# KiCad board EndGame.kicad_pcb (continued)
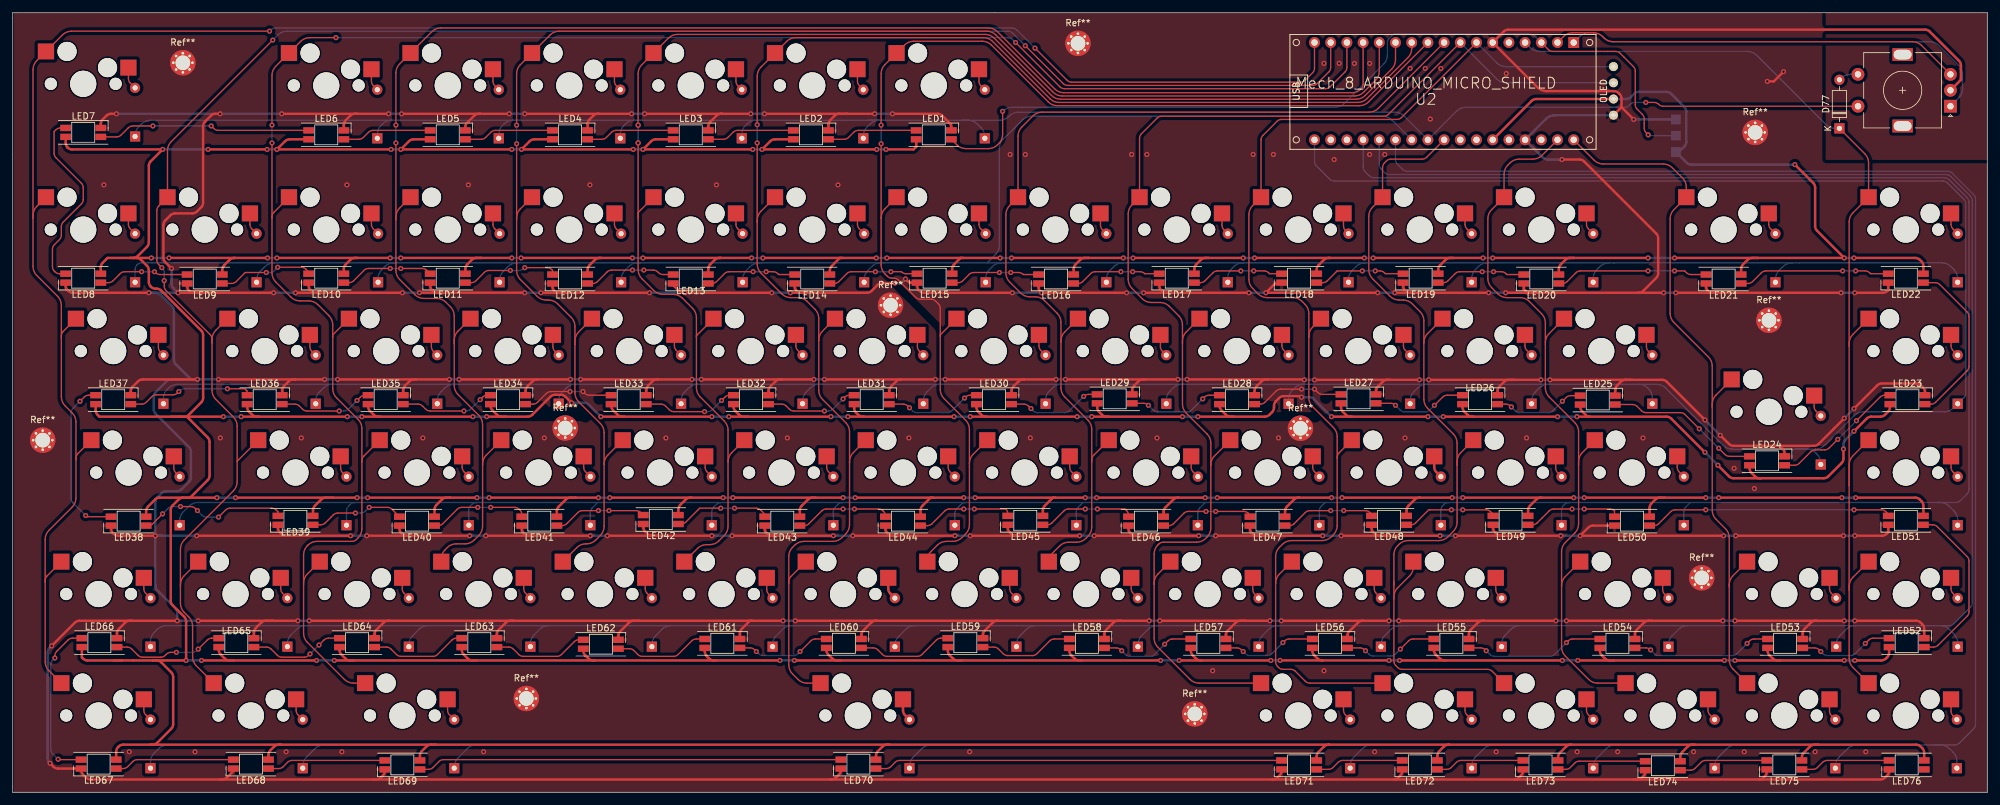
[diagram p0: board, top side]
## Routing (per net, layer and track width the routed paths; a pad name or vN(x,y) marks a point on that pad's centre or on a via; arc(x,y) is an arc through that point) (continued)
Row5: length 527
  Bottom w0.2: D62.1 214.5,23.14 arc(214.66,23.91) 215.09,24.56 216.08,25.54 arc(216.73,25.98) 217.49,26.13 218.82,26.13 ; 122.81,26.13 104.01,26.13 ; 122.81,26.13 122.11,26.13 arc(121.35,25.98) 120.7,25.54 119.71,24.56 arc(119.28,23.91) 119.13,23.14 D57.1 ; 122.81,26.13 141.61,26.13 ; 104.01,26.13 84.33,26.13 ; 104.01,26.13 103.19,26.13 arc(102.43,25.98) 101.78,25.54 100.79,24.56 arc(100.36,23.91) 100.2,23.14 D56.1 ; 198.63,26.13 198.31,26.13 arc(197.55,25.98) 196.9,25.54 195.91,24.56 arc(195.48,23.91) 195.33,23.14 D61.1 ; 198.63,26.13 179.58,26.13 ; 198.63,26.13 218.82,26.13 ; 262.89,26.13 262.58,26.13 arc(261.81,25.98) 261.16,25.54 260.17,24.56 arc(259.74,23.91) 259.59,23.14 D64.1 ; 262.89,26.13 288.93,26.13 ; 262.89,26.13 236.98,26.13 ; D66.1 304.93,23.4 arc(304.77,24.16) 304.34,24.81 303.61,25.54 arc(302.96,25.98) 302.19,26.13 301.75,26.13 ; D59.1 157.35,23.14 arc(157.51,23.91) 157.94,24.56 158.93,25.54 arc(159.58,25.98) 160.34,26.13 160.78,26.13 ; 157.35,26.19 157.35,26.13 ; 157.35,26.13 141.61,26.13 ; 157.35,26.13 160.78,26.13 ; 141.61,26.13 141.42,26.13 arc(140.65,25.98) 140,25.54 138.89,24.43 arc(138.46,23.78) 138.3,23.02 D58.1 ; 84.33,26.13 66.04,26.13 ; 84.33,26.13 84.01,26.13 arc(83.25,25.98) 82.6,25.54 81.74,24.68 arc(81.31,24.04) 81.15,23.27 D55.1 ; 301.75,26.13 303.62,26.13 arc(304.01,26.21) 304.33,26.42 306.92,29.01 arc(307.14,29.34) 307.21,29.72 307.21,92.77 arc(307.14,93.15) 306.92,93.48 303.82,96.58 arc(303.5,96.79) 303.12,96.87 215.81,96.87 arc(215.42,96.95) 215.1,97.16 214.54,97.72 arc(214.33,98.04) 214.25,98.43 214.25,102.31 ; 301.75,26.13 288.93,26.13 ; 179.58,26.13 179.39,26.13 arc(178.63,25.98) 177.98,25.54 176.99,24.56 arc(176.56,23.91) 176.4,23.14 D60.1 ; 179.58,26.13 160.78,26.13 ; D53.1 43.05,23.27 arc(43.21,24.04) 43.64,24.68 44.5,25.54 arc(45.15,25.98) 45.91,26.13 46.36,26.13 ; 66.04,26.13 65.09,26.13 arc(64.33,25.98) 63.68,25.54 62.69,24.56 arc(62.26,23.91) 62.1,23.14 D54.1 ; 66.04,26.13 46.36,26.13 ; 218.82,26.13 236.98,26.13 ; 288.93,26.13 288.86,26.13 arc(288.1,25.98) 287.45,25.54 286.46,24.56 arc(286.03,23.91) 285.88,23.14 D65.1 ; D52.1 21.59,23.65 arc(21.74,24.42) 22.18,25.07 22.66,25.54 arc(23.3,25.98) 24.07,26.13 46.36,26.13 ; 236.98,26.13 236.29,26.13 arc(235.52,25.98) 234.87,25.54 234.01,24.68 arc(233.58,24.04) 233.43,23.27 D63.1
Row6: length 524.5
  Bottom w0.2: U2.A2 216.79,99.19 arc(216.87,98.81) 217.08,98.48 217.89,97.67 arc(218.22,97.45) 218.6,97.38 303.37,97.38 arc(303.75,97.3) 304.08,97.08 307.43,93.73 arc(307.64,93.41) 307.72,93.03 307.72,10.67 arc(307.64,10.29) 307.43,9.96 305.17,7.71 arc(304.85,7.49) 304.47,7.42 301.24,7.42 ; D70.1 140.59,4.09 arc(140.74,4.86) 141.17,5.51 142.5,6.83 arc(143.15,7.26) 143.91,7.42 144.4,7.42 ; 232.54,7.42 232.05,7.42 arc(231.29,7.26) 230.64,6.83 229.31,5.51 arc(228.88,4.86) 228.73,4.09 D72.1 ; 232.54,7.42 251.59,7.42 ; 232.54,7.42 214,7.42 ; 214,7.42 144.4,7.42 ; 214,7.42 213,7.42 arc(212.24,7.26) 211.59,6.83 210.26,5.51 arc(209.83,4.86) 209.68,4.09 D71.1 ; D74.1 266.83,4.09 arc(266.98,4.86) 267.41,5.51 268.74,6.83 arc(269.39,7.26) 270.15,7.42 270.38,7.42 ; 50.04,7.42 24.28,7.42 arc(23.51,7.26) 22.86,6.83 22.18,6.14 arc(21.74,5.49) 21.59,4.73 D67.1 ; 50.04,7.42 48.79,7.42 arc(48.02,7.26) 47.38,6.83 46.05,5.51 arc(45.62,4.86) 45.47,4.09 D68.1 ; 50.04,7.42 74.04,7.42 ; 290.32,7.42 270.38,7.42 ; 290.32,7.42 289.07,7.42 arc(288.31,7.26) 287.66,6.83 286.34,5.51 arc(285.9,4.86) 285.75,4.09 D75.1 ; 290.32,7.42 301.24,7.42 ; 251.59,7.42 251.23,7.42 arc(250.46,7.26) 249.81,6.83 248.36,5.38 arc(247.93,4.73) 247.78,3.97 D73.1 ; 251.59,7.42 270.38,7.42 ; 144.4,7.42 74.04,7.42 ; D76.1 304.8,4.85 arc(304.65,5.62) 304.21,6.27 303.65,6.83 arc(303,7.26) 302.24,7.42 301.24,7.42 ; 74.04,7.42 72.67,7.42 arc(71.9,7.26) 71.25,6.83 69.8,5.38 arc(69.37,4.73) 69.22,3.97 D69.1
Net-(D1-A): length 3.6
  Top w0.2: SW1.1 18.13,111.92 arc(18.21,111.53) 18.43,111.21 D1.2
Net-(D2-A): length 3.5
  Top w0.2: SW2.1 56.23,111.5 arc(56.31,111.12) 56.53,110.8 D2.2
Net-(D3-A): length 3.5
  Top w0.2: SW3.1 75.28,111.5 arc(75.36,111.12) 75.58,110.8 D3.2
Net-(D4-A): length 3.5
  Top w0.2: SW4.1 94.33,111.5 arc(94.41,111.12) 94.63,110.8 D4.2
Net-(D5-A): length 3.5
  Top w0.2: SW5.1 113.38,111.5 arc(113.46,111.12) 113.68,110.8 D5.2
Net-(D6-A): length 3.5
  Top w0.2: D6.2 132.73,110.8 arc(132.51,111.12) 132.43,111.5 SW6.1
Net-(D7-A): length 3.5
  Top w0.2: D7.2 151.78,110.8 arc(151.56,111.12) 151.48,111.5 SW7.1
Net-(D8-A): length 3.6
  Top w0.2: SW8.1 18.13,89.06 arc(18.21,88.67) 18.43,88.35 D8.2
Net-(D9-A): length 3.6
  Top w0.2: D9.2 37.48,88.35 arc(37.26,88.67) 37.18,89.06 SW9.1
Net-(D10-A): length 3.6
  Top w0.2: D10.2 56.53,88.35 arc(56.31,88.67) 56.23,89.06 SW10.1
Net-(D11-A): length 3.6
  Top w0.2: SW11.1 75.28,89.06 arc(75.36,88.67) 75.58,88.35 D11.2
Net-(D12-A): length 3.6
  Top w0.2: D12.2 94.63,88.35 arc(94.41,88.67) 94.33,89.06 SW12.1
Net-(D13-A): length 3.6
  Top w0.2: D13.2 113.68,88.35 arc(113.46,88.67) 113.38,89.06 SW13.1
Net-(D14-A): length 3.6
  Top w0.2: SW14.1 132.43,89.06 arc(132.51,88.67) 132.73,88.35 D14.2
Net-(D15-A): length 3.6
  Top w0.2: D15.2 151.78,88.35 arc(151.56,88.67) 151.48,89.06 SW15.1
Net-(D16-A): length 3.5
  Top w0.2: D16.2 170.83,88.22 arc(170.61,88.55) 170.53,88.93 SW16.1
Net-(D17-A): length 3.5
  Top w0.2: SW17.1 189.58,88.93 arc(189.66,88.55) 189.88,88.22 D17.2
Net-(D18-A): length 3.5
  Top w0.2: SW18.1 208.63,88.8 arc(208.71,88.42) 208.93,88.09 D18.2
Net-(D19-A): length 3.6
  Top w0.2: SW19.1 227.68,89.06 arc(227.76,88.67) 227.98,88.35 D19.2
Net-(D20-A): length 3.6
  Top w0.2: SW20.1 246.73,89.06 arc(246.81,88.67) 247.03,88.35 D20.2
Net-(D21-A): length 3.6
  Top w0.2: D21.2 275.6,88.35 arc(275.39,88.67) 275.31,89.06 275.31,90.77
Net-(D22-A): length 3.6
  Top w0.2: SW22.1 303.88,89.06 arc(303.96,88.67) 304.18,88.35 D22.2
Net-(D23-A): length 3.5
  Top w0.2: SW23.1 22.83,69.75 arc(22.91,69.37) 23.13,69.04 D23.2
Net-(D24-A): length 3.5
  Top w0.2: SW24.1 46.58,69.88 arc(46.66,69.5) 46.87,69.17 D24.2
Net-(D25-A): length 3.5
  Top w0.2: SW25.1 65.63,69.88 arc(65.71,69.5) 65.92,69.17 D25.2
Net-(D26-A): length 3.5
  Top w0.2: SW26.1 84.68,69.88 arc(84.76,69.5) 84.97,69.17 D26.2
Net-(D27-A): length 3.6
  Top w0.2: D27.2 104.02,69.3 arc(103.81,69.62) 103.73,70.01 SW27.1
Net-(D28-A): length 3.6
  Top w0.2: D28.2 123.07,69.3 arc(122.86,69.62) 122.78,70.01 SW28.1
Net-(D29-A): length 3.5
  Top w0.2: SW29.1 141.83,69.88 arc(141.91,69.5) 142.12,69.17 D29.2
Net-(D30-A): length 3.6
  Top w0.2: D30.2 161.17,69.3 arc(160.96,69.62) 160.88,70.01 SW30.1
Net-(D31-A): length 3.5
  Top w0.2: D31.2 180.22,69.17 arc(180.01,69.5) 179.93,69.88 SW31.1
Net-(D32-A): length 3.6
  Top w0.2: D32.2 199.27,69.3 arc(199.06,69.62) 198.98,70.01 SW32.1
Net-(D33-A): length 3.6
  Top w0.2: SW33.1 218.03,70.01 arc(218.11,69.62) 218.32,69.3 D33.2
Net-(D34-A): length 3.6
  Top w0.2: SW34.1 237.08,70.01 arc(237.16,69.62) 237.37,69.3 D34.2
Net-(D35-A): length 3.5
  Top w0.2: D35.2 256.42,69.17 arc(256.21,69.5) 256.13,69.88 SW35.1
Net-(D36-A): length 3.6
  Top w0.2: D36.2 282.71,59.77 arc(282.5,60.1) 282.42,60.48 SW36.1
Net-(D37-A): length 3.6
  Top w0.2: D37.2 304.18,69.3 arc(303.96,69.62) 303.88,70.01 SW37.1
Net-(D38-A): length 3.5
  Top w0.2: 25.25,52.67 25.25,50.83 arc(25.32,50.45) 25.54,50.12 D38.2
Net-(D39-A): length 3.5
  Top w0.2: 51.41,52.67 51.41,50.83 arc(51.48,50.45) 51.7,50.12 D39.2
Net-(D40-A): length 3.6
  Top w0.2: D40.2 70.75,50.25 arc(70.53,50.57) 70.46,50.96 70.46,52.67
Net-(D41-A): length 3.6
  Top w0.2: 89.51,52.67 89.51,50.96 arc(89.58,50.57) 89.8,50.25 D41.2
Net-(D42-A): length 3.6
  Top w0.2: D42.2 108.85,50.25 arc(108.63,50.57) 108.56,50.96 108.56,52.67
Net-(D43-A): length 3.6
  Top w0.2: 127.61,52.67 127.61,50.96 arc(127.68,50.57) 127.9,50.25 D43.2
Net-(D44-A): length 3.6
  Top w0.2: D44.2 146.95,50.25 arc(146.73,50.57) 146.66,50.96 146.66,52.67
Net-(D45-A): length 3.6
  Top w0.2: D45.2 166,50.25 arc(165.78,50.57) 165.71,50.96 165.71,52.67
Net-(D46-A): length 3.6
  Top w0.2: D46.2 185.05,50.25 arc(184.83,50.57) 184.76,50.96 184.76,52.67
Net-(D47-A): length 3.6
  Top w0.2: 203.81,52.67 203.81,50.96 arc(203.88,50.57) 204.1,50.25 D47.2
Net-(D48-A): length 3.6
  Top w0.381: D48.2 223.15,50.25 arc(222.93,50.57) 222.86,50.96 222.86,52.67
Net-(D49-A): length 3.5
  Top w0.2: 241.91,52.67 241.91,50.83 arc(241.98,50.45) 242.2,50.12 D49.2
Net-(D50-A): length 3.6
  Top w0.2: 260.96,52.67 260.96,50.96 arc(261.03,50.57) 261.25,50.25 D50.2
Net-(D51-A): length 3.6
  Top w0.2: D51.2 304.18,50.25 arc(303.96,50.57) 303.88,50.96 303.88,52.67
Net-(D52-A): length 3.6
  Top w0.2: D52.2 20.84,31.2 arc(20.62,31.52) 20.55,31.91 20.55,33.62
Net-(D53-A): length 3.6
  Top w0.2: D53.2 42.3,31.2 arc(42.09,31.52) 42.01,31.91 42.01,33.62
Net-(D54-A): length 3.6
  Top w0.2: D54.2 61.35,31.2 arc(61.14,31.52) 61.06,31.91 61.06,33.62
Net-(D55-A): length 3.6
  Top w0.2: 80.11,33.62 80.11,31.91 arc(80.19,31.52) 80.4,31.2 D55.2
Net-(D56-A): length 3.6
  Top w0.2: 99.16,33.62 99.16,31.91 arc(99.24,31.52) 99.45,31.2 D56.2
Net-(D57-A): length 3.5
  Top w0.2: 118.21,33.62 118.21,31.78 arc(118.29,31.4) 118.5,31.07 D57.2
Net-(D58-A): length 3.6
  Top w0.381: D58.2 137.55,31.2 arc(137.34,31.52) 137.26,31.91 137.26,33.62
Net-(D59-A): length 3.6
  Top w0.2: 156.31,33.62 156.31,31.91 arc(156.39,31.52) 156.6,31.2 D59.2
Net-(D60-A): length 3.6
  Top w0.2: 175.36,33.62 175.36,31.91 arc(175.44,31.52) 175.65,31.2 D60.2
Net-(D61-A): length 3.5
  Top w0.2: 194.41,33.62 194.41,31.78 arc(194.49,31.4) 194.7,31.07 D61.2
Net-(D62-A): length 3.6
  Top w0.2: 213.46,33.62 213.46,31.91 arc(213.54,31.52) 213.75,31.2 D62.2
Net-(D63-A): length 3.5
  Top w0.2: D63.2 232.8,31.07 arc(232.59,31.4) 232.51,31.78 232.51,33.62
Net-(D64-A): length 3.5
  Top w0.2: 258.67,33.62 258.67,31.78 arc(258.75,31.4) 258.96,31.07 D64.2
Net-(D65-A): length 3.6
  Top w0.2: D65.2 285.13,31.2 arc(284.91,31.52) 284.83,31.91 284.83,33.62
Net-(D66-A): length 3.6
  Top w0.2: 303.88,33.62 303.88,31.91 arc(303.96,31.52) 304.18,31.2 D66.2
Net-(D67-A): length 3.6
  Top w0.2: SW67.1 20.55,12.86 arc(20.62,12.47) 20.84,12.15 D67.2
Net-(D68-A): length 3.6
  Top w0.2: SW68.1 44.42,12.86 arc(44.5,12.47) 44.72,12.15 D68.2
Net-(D69-A): length 3.6
  Top w0.2: SW69.1 68.17,12.86 arc(68.25,12.47) 68.46,12.15 D69.2
Net-(D70-A): length 3.6
  Top w0.381: SW70.1 139.57,12.83 arc(139.65,12.45) 139.87,12.12 D70.2
Net-(D71-A): length 3.6
  Top w0.2: SW71.1 208.63,12.86 arc(208.71,12.47) 208.93,12.15 D71.2
Net-(D72-A): length 3.6
  Top w0.2: SW72.1 227.68,12.86 arc(227.76,12.47) 227.98,12.15 D72.2
Net-(D73-A): length 3.6
  Top w0.2: D73.2 247.03,12.15 arc(246.81,12.47) 246.73,12.86 SW73.1
Net-(D74-A): length 3.6
  Top w0.2: SW74.1 265.78,12.86 arc(265.86,12.47) 266.08,12.15 D74.2
Net-(D75-A): length 3.5
  Top w0.2: D75.2 285.13,12.02 arc(284.91,12.35) 284.83,12.73 SW75.1
Net-(D76-A): length 3.5
  Top w0.2: D76.2 304.18,12.02 arc(303.96,12.35) 303.88,12.73 SW76.1
Net-(D77-A): length 3.2
  Bottom w0.2: D77.2 286.65,111.99 arc(287.3,112.43) 288.06,112.58 SW77.S1
Net-(LED1-DOUT): length 14.3
  Top w0.2: LED2.4 130.33,102.39 arc(130.71,102.47) 131.04,102.69 131.85,103.5 arc(132.18,103.72) 132.56,103.79 LED1.2
Net-(LED2-DOUT): length 13.8
  Top w0.2: LED2.2 113.64,103.79 arc(113.25,103.72) 112.93,103.5 112.11,102.69 arc(111.79,102.47) 111.41,102.39 LED3.4
Net-(LED3-DOUT): length 13.9
  Top w0.2: LED3.2 94.59,103.79 arc(94.2,103.72) 93.88,103.5 93.06,102.69 arc(92.74,102.47) 92.36,102.39 LED4.4
Net-(LED4-DOUT): length 14.2
  Top w0.2: LED5.4 73.43,102.39 arc(73.82,102.47) 74.14,102.69 74.96,103.5 arc(75.28,103.72) 75.66,103.79 LED4.2
Net-(LED5-DOUT): length 14
  Top w0.2: LED5.2 56.49,103.79 arc(56.1,103.72) 55.78,103.5 54.96,102.69 arc(54.64,102.47) 54.26,102.39 LED6.4
Net-(LED6-DOUT): length 33.5
  Top w0.2: LED7.4 16.28,102.77 arc(16.67,102.85) 16.99,103.07 18.12,104.2 arc(18.45,104.41) 18.83,104.49 v1(21.97,104.49) ; LED6.2 32.23,103.79 arc(31.84,103.87) 31.52,104.09 v1(31.11,104.49)
  Bottom w0.2: v1(31.11,104.49) v1(21.97,104.49)
Net-(LED7-DOUT): length 29.5
  Top w0.2: LED8.4 7.33,81.31 arc(6.95,81.39) 6.63,81.61 6.52,81.72 arc(6.3,82.04) 6.22,82.42 6.22,85.15 arc(6.3,85.53) 6.52,85.86 7.33,86.67 arc(7.54,86.99) 7.62,87.38 7.62,88.71 arc(7.7,89.09) 7.91,89.42 10.76,92.26 arc(10.97,92.58) 11.05,92.97 11.05,94.8 arc(10.97,95.19) 10.76,95.51 6.77,99.5 arc(6.55,99.82) 6.48,100.2 6.48,103.6 6.76,103.88 arc(7.08,104.1) 7.46,104.17 LED7.2
Net-(LED8-DOUT): length 14.3
  Top w0.2: LED9.4 23.08,81.19 arc(22.7,81.26) 22.38,81.48 v1(22.22,81.63) ; v1(20.19,81.63) 17.56,81.63 arc(17.18,81.55) 16.85,81.34 15.72,80.21 arc(15.4,79.99) 15.01,79.91 LED8.2
  Bottom w0.2: v1(22.22,81.63) v1(20.19,81.63)
Net-(LED10-DIN): length 15.1
  Top w0.2: LED9.2 34.32,79.79 arc(34.7,79.86) 35.03,80.08 36.45,81.5 v1(39.75,81.5) ; LED10.4 46.4,81.59 45.95,82.03 arc(45.63,82.25) 45.24,82.33 v1(41.53,82.33)
  Bottom w0.2: v1(41.53,82.33) 41,81.8 arc(40.67,81.58) 40.29,81.5 v1(39.75,81.5)
Net-(LED10-DOUT): length 14.7
  Top w0.2: LED11.4 64.92,81.84 arc(64.59,82.06) 64.21,82.14 v1(60.83,82.14) ; v1(59.18,82.14) 55.79,82.14 arc(55.4,82.06) 55.08,81.84 53.44,80.21 arc(53.12,79.99) 52.73,79.91 LED10.2
  Bottom w0.2: v1(59.18,82.14) v1(60.83,82.14)
Net-(LED11-DOUT): length 15.3
  Top w0.2: v1(80.26,82.26) 83.79,82.26 arc(84.17,82.19) 84.49,81.97 84.63,81.84 LED12.4 ; v1(78.02,81.82) 74.65,81.82 arc(74.27,81.75) 73.94,81.53 72.62,80.21 arc(72.29,79.99) 71.91,79.91 LED11.2
  Bottom w0.2: v1(80.26,82.26) 80.12,82.12 arc(79.79,81.9) 79.41,81.82 v1(78.02,81.82)
Net-(LED12-DOUT): length 14.4
  Top w0.2: LED13.4 101.95,81.19 arc(101.57,81.26) 101.24,81.48 101.13,81.59 arc(100.81,81.81) 100.42,81.88 v1(98.93,81.88) ; v1(97.15,81.88) 93.89,81.88 arc(93.5,81.81) 93.18,81.59 91.67,80.08 arc(91.34,79.86) 90.96,79.79 LED12.2
  Bottom w0.2: v1(97.15,81.88) v1(98.93,81.88)
Net-(LED13-DOUT): length 14.4
  Top w0.2: v1(118.11,81.63) 119.22,81.63 arc(119.6,81.55) 119.93,81.34 120.08,81.19 LED14.4 ; LED13.2 109.63,79.79 arc(110.01,79.86) 110.34,80.08 111.59,81.34 arc(111.92,81.55) 112.3,81.63 v1(116.08,81.63)
  Bottom w0.2: v1(116.08,81.63) v1(118.11,81.63)
Net-(LED14-DOUT): length 14.4
  Top w0.2: LED15.4 140.05,81.31 arc(139.67,81.39) 139.34,81.61 139.32,81.63 v1(137.67,81.63) ; v1(135.25,81.63) 131.48,81.63 arc(131.1,81.55) 130.77,81.34 129.51,80.08 arc(129.19,79.86) 128.81,79.79 LED14.2
  Bottom w0.2: v1(135.25,81.63) v1(137.67,81.63)
Net-(LED15-DOUT): length 14.2
  Top w0.2: v1(156.46,81.5) 157.7,81.5 arc(158.08,81.43) 158.41,81.21 158.43,81.19 LED16.4 ; v1(154.69,81.5) 150.66,81.5 arc(150.27,81.43) 149.95,81.21 148.94,80.21 arc(148.62,79.99) 148.24,79.91 LED15.2
  Bottom w0.2: v1(154.69,81.5) v1(156.46,81.5)
Net-(LED16-DOUT): length 14.2
  Top w0.2: v1(173.74,81.63) 169.71,81.63 arc(169.32,81.55) 169,81.34 167.74,80.08 arc(167.42,79.86) 167.03,79.79 LED16.2 ; v1(175.58,81.63) 176.75,81.63 arc(177.13,81.55) 177.46,81.34 177.48,81.31 LED17.4
  Bottom w0.2: v1(173.74,81.63) v1(175.58,81.63)
Net-(LED17-DOUT): length 14.5
  Top w0.2: v1(194.56,81.76) 196.18,81.76 arc(196.56,81.68) 196.89,81.46 197.04,81.31 LED18.4 ; LED17.2 186.21,79.91 arc(186.59,79.99) 186.92,80.21 188.18,81.46 arc(188.5,81.68) 188.88,81.76 v1(192.53,81.76)
  Bottom w0.2: v1(192.53,81.76) v1(194.56,81.76)
Net-(LED18-DOUT): length 14.4
  Top w0.2: v1(213.61,81.76) 214.34,81.76 arc(214.73,81.68) 215.05,81.46 215.2,81.31 LED19.4 ; v1(211.58,81.76) 207.64,81.76 206.09,80.21 arc(205.77,79.99) 205.39,79.91 LED18.2
  Bottom w0.2: v1(211.58,81.76) v1(213.61,81.76)
Net-(LED19-DOUT): length 14.2
  Top w0.2: LED19.2 224.31,79.91 arc(224.69,79.99) 225.02,80.21 226.15,81.34 arc(226.47,81.55) 226.86,81.63 v1(230.38,81.63) ; LED20.4 234.25,81.19 234.1,81.34 arc(233.78,81.55) 233.39,81.63 v1(232.16,81.63)
  Bottom w0.2: v1(230.38,81.63) v1(232.16,81.63)
Net-(LED20-DOUT): length 24
  Top w0.2: LED21.4 263.11,81.19 arc(262.73,81.26) 262.41,81.48 262.13,81.76 v1(260.54,81.76) ; LED20.2 242.98,79.79 arc(243.36,79.86) 243.69,80.08 245.07,81.46 arc(245.4,81.68) 245.78,81.76 v1(256.38,81.76)
  Bottom w0.2: v1(256.38,81.76) v1(260.54,81.76)
Net-(LED21-DOUT): length 23.9
  Top w0.2: LED21.2 272.06,79.79 arc(272.45,79.86) 272.77,80.08 274.15,81.46 arc(274.48,81.68) 274.86,81.76 v1(286.89,81.76) ; LED22.4 291.27,81.31 291.12,81.46 arc(290.8,81.68) 290.42,81.76 v1(288.93,81.76)
  Bottom w0.2: v1(286.89,81.76) v1(288.93,81.76)
Net-(LED22-DOUT): length 26.8
  Top w0.2: LED22.2 301.4,79.91 arc(301.79,79.84) 302.11,79.62 306.41,75.32 arc(306.63,74.99) 306.7,74.61 306.7,66.8 arc(306.63,66.42) 306.41,66.1 301.47,61.16 arc(301.15,60.94) 300.76,60.86 LED23.4
Net-(LED23-DOUT): length 20.9
  Top w0.2: v1(289.05,58.26) 292.76,61.97 arc(293.09,62.19) 293.47,62.26 LED23.2 ; v1(286.13,55.34) 284.77,53.98 arc(284.45,53.77) 284.07,53.69 282.61,53.69 arc(282.23,53.61) 281.9,53.4 280.07,51.57 arc(279.75,51.35) 279.37,51.28 LED24.4
  Bottom w0.2: v1(286.13,55.34) v1(289.05,58.26)
Net-(LED24-DOUT): length 24.2
  Top w0.2: LED24.2 269.14,52.68 arc(268.76,52.75) 268.44,52.97 v1(267.46,53.94) ; v1(264.41,56.99) 262.17,59.24 arc(261.84,59.46) 261.46,59.53 256.07,59.53 arc(255.68,59.61) 255.36,59.82 254.67,60.51 arc(254.35,60.73) 253.97,60.8 LED25.4
  Bottom w0.2: v1(267.46,53.94) v1(264.41,56.99)
Net-(LED25-DOUT): length 14.4
  Top w0.2: v1(234.95,60.42) 234.8,60.57 arc(234.48,60.79) 234.09,60.86 LED26.4 ; LED25.2 244.26,62.2 arc(243.87,62.13) 243.55,61.91 v1(242.95,61.31)
  Bottom w0.2: v1(234.95,60.42) 235.55,59.82 arc(235.87,59.61) 236.25,59.53 240.76,59.53 arc(241.14,59.61) 241.47,59.82 v1(242.95,61.31)
Net-(LED26-DOUT): length 15
  Top w0.2: LED26.2 224.89,62.26 arc(224.51,62.19) 224.18,61.97 v1(222.88,60.67) ; 213.74,60.99 216.06,60.99 arc(216.44,60.91) 216.77,60.7 v1(216.79,60.67)
  Bottom w0.2: v1(222.88,60.67) 222.16,59.95 arc(221.84,59.73) 221.45,59.66 218.22,59.66 arc(217.84,59.73) 217.51,59.95 v1(216.79,60.67)
Net-(LED27-DOUT): length 14.7
  Top w0.2: v1(204.09,63.21) 204.62,62.68 arc(204.94,62.47) 205.33,62.39 LED27.2 ; v1(202.06,63.21) 198.79,63.21 arc(198.41,63.14) 198.08,62.92 196.32,61.16 arc(195.99,60.94) 195.61,60.86 LED28.4
  Bottom w0.2: v1(204.09,63.21) v1(202.06,63.21)
Net-(LED28-DOUT): length 15.2
  Top w0.2: LED29.4 177.32,60.99 arc(177.71,60.91) 178.03,60.7 v1(178.05,60.67) ; LED28.2 187.55,62.26 arc(187.17,62.19) 186.84,61.97 v1(186.56,61.69)
  Bottom w0.2: v1(178.05,60.67) 178.78,59.95 arc(179.1,59.73) 179.48,59.66 184.53,59.66 v1(186.56,61.69)
Net-(LED29-DOUT): length 15
  Top w0.2: v1(167.89,62.07) 167.92,62.1 arc(168.24,62.31) 168.63,62.39 LED29.2 ; LED30.4 158.53,60.86 arc(158.91,60.79) 159.23,60.57 v1(159.64,60.17)
  Bottom w0.2: v1(167.89,62.07) 165.65,59.82 arc(165.32,59.61) 164.94,59.53 160.69,59.53 arc(160.31,59.61) 159.98,59.82 v1(159.64,60.17)
Net-(LED30-DOUT): length 15.2
  Top w0.2: LED31.4 139.6,60.86 arc(139.99,60.79) 140.31,60.57 v1(140.59,60.29) ; v1(149.23,61.82) 149.38,61.97 arc(149.7,62.19) 150.09,62.26 LED30.2
  Bottom w0.2: v1(149.23,61.82) 147.23,59.82 arc(146.91,59.61) 146.52,59.53 141.77,59.53 arc(141.38,59.61) 141.06,59.82 v1(140.59,60.29)
Net-(LED31-DOUT): length 14.7
  Top w0.2: LED31.2 131.16,62.26 arc(130.78,62.19) 130.46,61.97 v1(130.18,61.69) ; LED32.4 120.55,60.86 arc(120.94,60.79) 121.26,60.57 121.75,60.08 arc(122.08,59.86) 122.46,59.79 v1(127.25,59.79)
  Bottom w0.2: v1(127.25,59.79) 127.86,59.79 arc(128.24,59.86) 128.56,60.08 v1(130.18,61.69)
Net-(LED32-DOUT): length 15.1
  Top w0.2: LED33.4 101.63,60.86 arc(102.01,60.79) 102.34,60.57 102.93,59.98 arc(103.25,59.76) 103.64,59.69 v1(108.46,59.69) ; v1(111.12,61.44) 111.66,61.97 arc(111.98,62.19) 112.37,62.26 LED32.2
  Bottom w0.2: v1(111.12,61.44) 109.67,59.98 arc(109.34,59.76) 108.96,59.69 v1(108.46,59.69)
Net-(LED33-DOUT): length 14.3
  Top w0.2: v1(89.41,62.83) 89.69,62.56 arc(90.01,62.34) 90.39,62.26 LED33.2 ; v1(87.38,62.83) 84.36,62.83 arc(83.98,62.76) 83.65,62.54 82.27,61.16 arc(81.95,60.94) 81.56,60.86 LED34.4
  Bottom w0.2: v1(89.41,62.83) v1(87.38,62.83)
Net-(LED34-DOUT): length 15
  Top w0.2: LED34.2 74.39,62.26 arc(74.01,62.19) 73.69,61.97 v1(73.28,61.56) ; LED35.4 63.53,60.86 arc(63.91,60.79) 64.24,60.57 64.73,60.08 arc(65.06,59.86) 65.44,59.79 v1(70.74,59.79)
  Bottom w0.2: v1(70.74,59.79) 71.09,59.79 arc(71.47,59.86) 71.79,60.08 v1(73.28,61.56)
Net-(LED35-DOUT): length 14.8
  Top w0.2: LED36.4 44.23,60.86 arc(44.61,60.79) 44.93,60.57 45.43,60.08 arc(45.75,59.86) 46.13,59.79 v1(51.18,59.79) ; LED35.2 55.22,62.26 arc(54.83,62.19) 54.51,61.97 v1(53.97,61.44)
  Bottom w0.2: v1(51.18,59.79) 51.91,59.79 arc(52.29,59.86) 52.62,60.08 v1(53.97,61.44)
Net-(LED36-DOUT): length 19.9
  Top w0.2: LED37.4 20.22,60.86 arc(20.6,60.94) 20.93,61.16 21.81,62.03 arc(22.13,62.25) 22.51,62.33 25.11,62.33 arc(25.5,62.4) 25.82,62.62 v1(26.03,62.83) ; v1(33.66,63.28) 36.39,63.28 36.75,62.92 LED36.2
  Bottom w0.2: v1(26.03,62.83) 26.19,62.98 arc(26.51,63.2) 26.89,63.28 v1(33.66,63.28)
Net-(LED37-DOUT): length 26.2
  Top w0.2: LED37.2 11.91,62.26 arc(11.53,62.19) 11.2,61.97 v1(10.54,61.31) ; v1(11.43,43.4) 11.62,43.21 LED38.4
  Bottom w0.2: v1(11.43,43.4) 9.44,45.4 arc(9.22,45.72) 9.14,46.1 9.14,59.5 arc(9.22,59.88) 9.44,60.21 v1(10.54,61.31)
Net-(LED38-DOUT): length 23.8
  Top w0.2: 20.91,41.81 21.24,41.81 arc(21.62,41.89) 21.94,42.11 v1(23.49,43.66) ; v1(32.26,43.15) 33.36,44.25 arc(33.69,44.47) 34.07,44.55 40.61,44.55 arc(40.99,44.47) 41.31,44.25 41.57,43.99 LED39.4 ; v1(28.96,44.16) 28.61,44.51 arc(28.29,44.72) 27.91,44.8 v1(26.29,44.8)
  Bottom w0.2: v1(32.26,43.15) 30.39,43.15 arc(30,43.22) 29.68,43.44 v1(28.96,44.16) ; v1(23.49,43.66) 24.35,44.51 arc(24.67,44.72) 25.05,44.8 v1(26.29,44.8)
Net-(LED39-DOUT): length 15.1
  Top w0.2: LED40.4 59.46,44.38 arc(59.13,44.6) 58.75,44.67 v1(55.88,44.67) ; LED39.2 48.29,41.94 arc(48.67,42.02) 49,42.23 50.25,43.49 arc(50.58,43.71) 50.96,43.78 v1(53.72,43.78)
  Bottom w0.2: v1(55.88,44.67) 55.28,44.08 arc(54.96,43.86) 54.58,43.78 v1(53.72,43.78)
Net-(LED40-DOUT): length 15.8
  Top w0.2: v1(72.9,44.67) 70.39,44.67 arc(70.01,44.6) 69.68,44.38 67.41,42.11 arc(67.09,41.89) 66.7,41.81 LED40.2 ; LED41.4 79.8,43.58 arc(79.72,43.96) 79.51,44.29 79.41,44.38 arc(79.09,44.6) 78.71,44.67 v1(74.93,44.67)
  Bottom w0.2: v1(72.9,44.67) v1(74.93,44.67)
Net-(LED41-DOUT): length 14.7
  Top w0.2: LED41.2 86.13,41.81 arc(86.52,41.89) 86.84,42.11 88.61,43.87 arc(88.93,44.09) 89.31,44.16 v1(91.82,44.16) ; v1(93.47,44.16) 97.74,44.16 arc(98.12,44.09) 98.45,43.87 LED42.4
  Bottom w0.2: v1(91.82,44.16) v1(93.47,44.16)
Net-(LED42-DOUT): length 15.3
  Top w0.2: v1(111,44.55) 107.7,44.55 105.51,42.36 arc(105.19,42.14) 104.8,42.07 LED42.2 ; v1(113.16,44.55) 116.55,44.55 arc(116.94,44.47) 117.26,44.25 117.9,43.61 LED43.4
  Bottom w0.2: v1(111,44.55) v1(113.16,44.55)
Net-(LED43-DOUT): length 15.1
  Top w0.2: v1(130.18,44.42) 127.54,44.42 arc(127.16,44.34) 126.83,44.13 124.81,42.11 arc(124.49,41.89) 124.11,41.81 LED43.2 ; v1(131.95,44.42) 135.73,44.42 arc(136.11,44.34) 136.44,44.13 136.53,44.03 arc(136.75,43.71) 136.82,43.33 LED44.4
  Bottom w0.2: v1(130.18,44.42) v1(131.95,44.42)
Net-(LED44-DOUT): length 15.5
  Top w0.2: LED44.2 143.41,41.81 arc(143.79,41.89) 144.12,42.11 146.14,44.13 arc(146.46,44.34) 146.85,44.42 v1(149.1,44.42) ; LED45.4 156,43.71 arc(155.92,44.09) 155.71,44.41 155.7,44.42 v1(150.75,44.42)
  Bottom w0.2: v1(149.1,44.42) v1(150.75,44.42)
Net-(LED45-DOUT): length 15.2
  Top w0.2: LED46.4 174.92,43.45 arc(174.85,43.83) 174.63,44.16 174.37,44.42 v1(170.05,44.42) ; LED45.2 162.21,41.94 arc(162.59,42.02) 162.91,42.23 164.81,44.13 arc(165.13,44.34) 165.51,44.42 v1(168.15,44.42)
  Bottom w0.2: v1(168.15,44.42) v1(170.05,44.42)
Net-(LED46-DOUT): length 14.8
  Top w0.2: LED47.4 193.97,43.49 193.71,43.74 arc(193.39,43.96) 193.01,44.04 v1(188.59,44.04) ; v1(187.07,44.04) 184.31,44.04 arc(183.93,43.96) 183.6,43.74 181.96,42.11 arc(181.64,41.89) 181.26,41.81 LED46.2
  Bottom w0.2: v1(187.07,44.04) v1(188.59,44.04)
Net-(LED47-DOUT): length 14.9
  Top w0.2: v1(206.63,44.16) 203.36,44.16 arc(202.98,44.09) 202.65,43.87 200.89,42.11 arc(200.56,41.89) 200.18,41.81 LED47.2 ; LED48.4 213.02,43.61 212.76,43.87 arc(212.44,44.09) 212.06,44.16 v1(208.66,44.16)
  Bottom w0.2: v1(206.63,44.16) v1(208.66,44.16)
Net-(LED48-DOUT): length 15
  Top w0.2: LED49.4 232.07,43.61 231.69,44 arc(231.36,44.22) 230.98,44.29 v1(227.33,44.29) ; LED48.2 219.23,41.94 arc(219.61,42.02) 219.94,42.23 222,44.29 v1(225.55,44.29)
  Bottom w0.2: v1(225.55,44.29) v1(227.33,44.29)
Net-(LED49-DOUT): length 15.5
  Top w0.2: v1(246.38,44.42) 250.41,44.42 arc(250.79,44.34) 251.12,44.13 251.12,44.12 LED50.4 ; v1(244.48,44.42) 241.59,44.42 arc(241.2,44.34) 240.88,44.13 238.99,42.23 arc(238.66,42.02) 238.28,41.94 LED49.2
  Bottom w0.2: v1(244.48,44.42) v1(246.38,44.42)
